# Altium PCB Smart Humidifier.PcbDoc
Units mm, origin at the board's own origin, x right, y up, seen from the top; angles counter-clockwise.
Board outline 80 x 80 mm, 2 copper layers (Top Layer, Bottom Layer); 109 components, 90 nets, 422 pads, 216 vias.
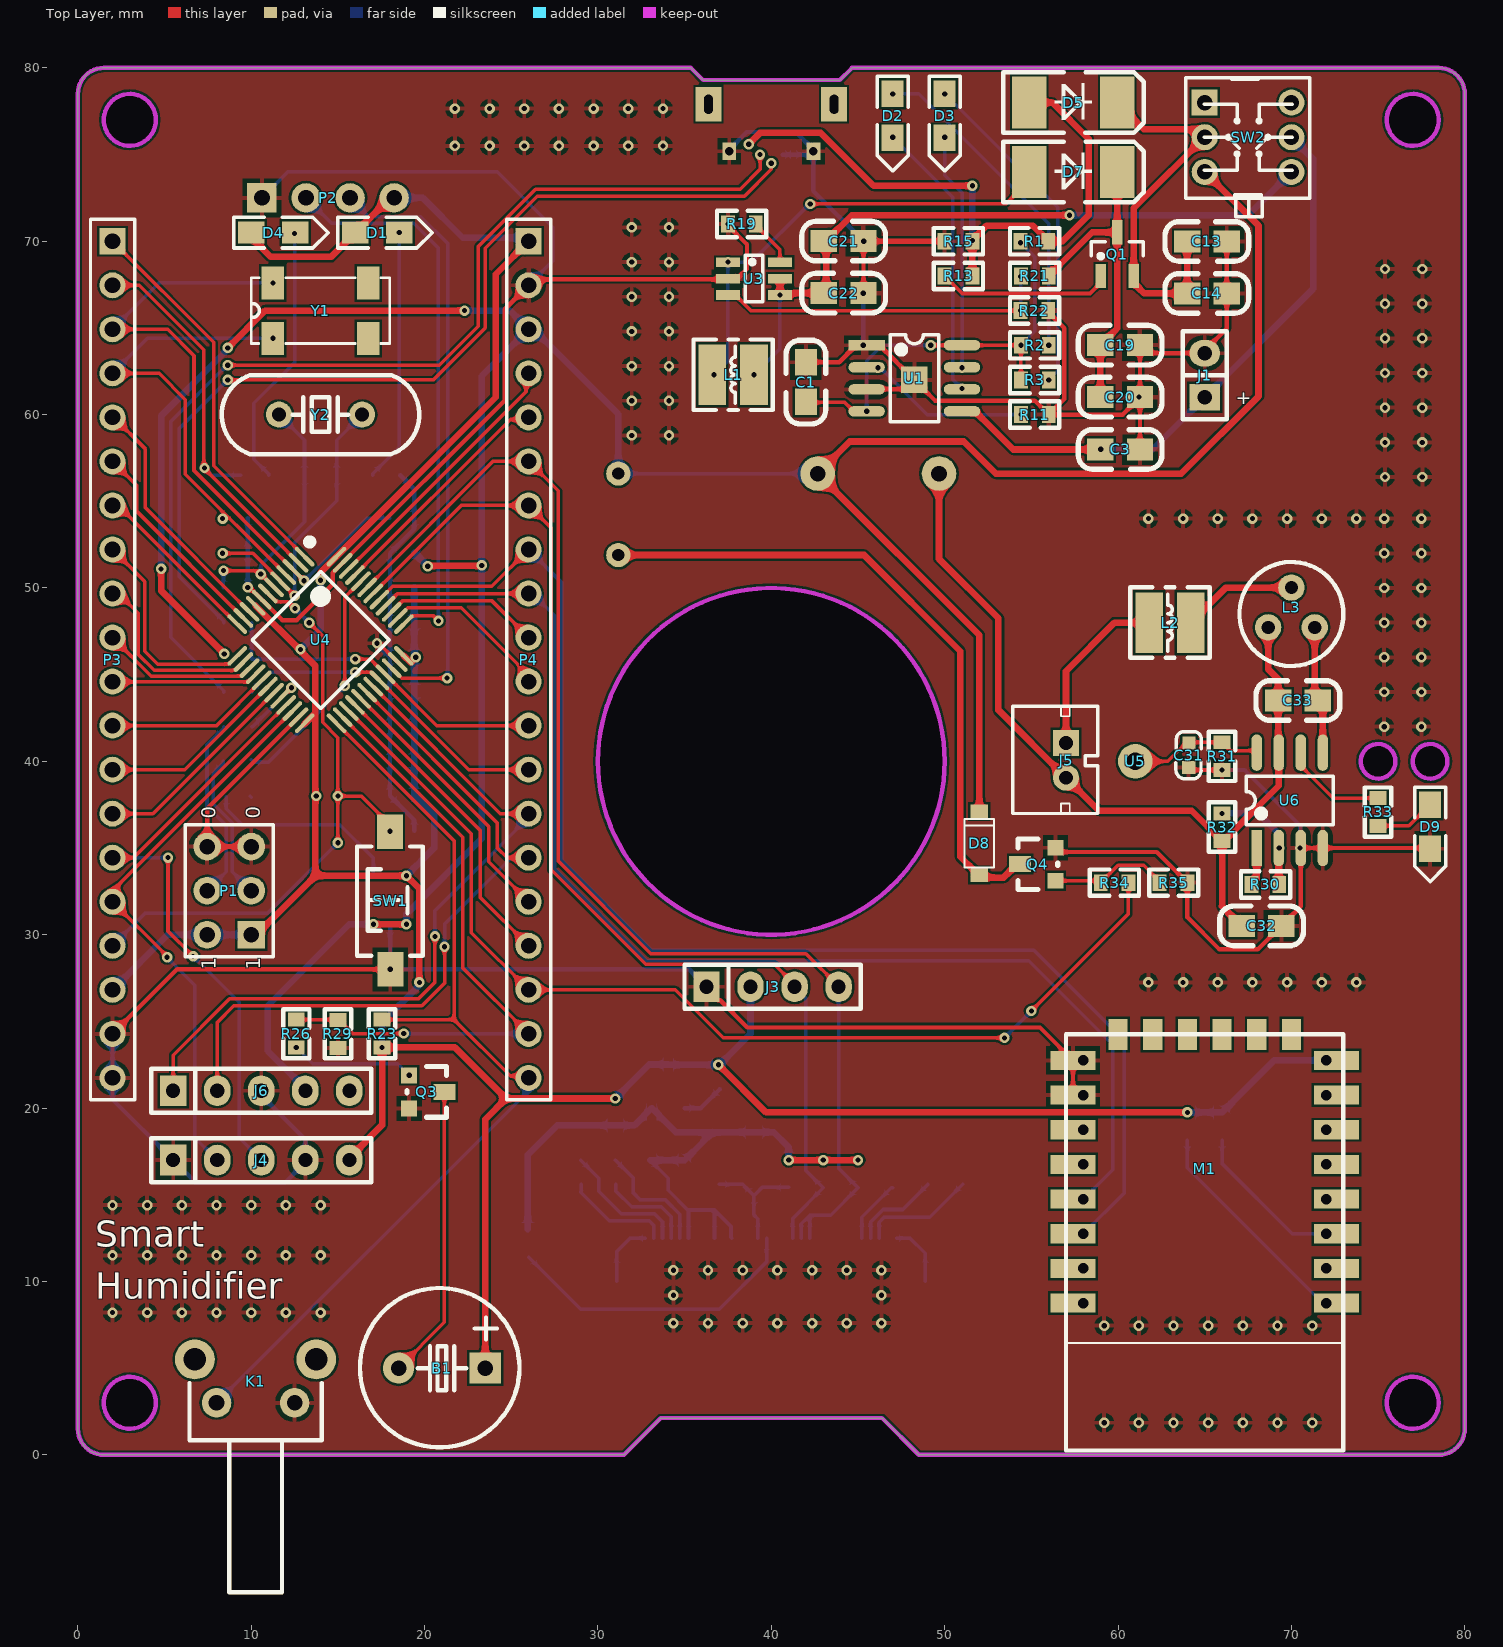
[diagram p0: Top Layer view]
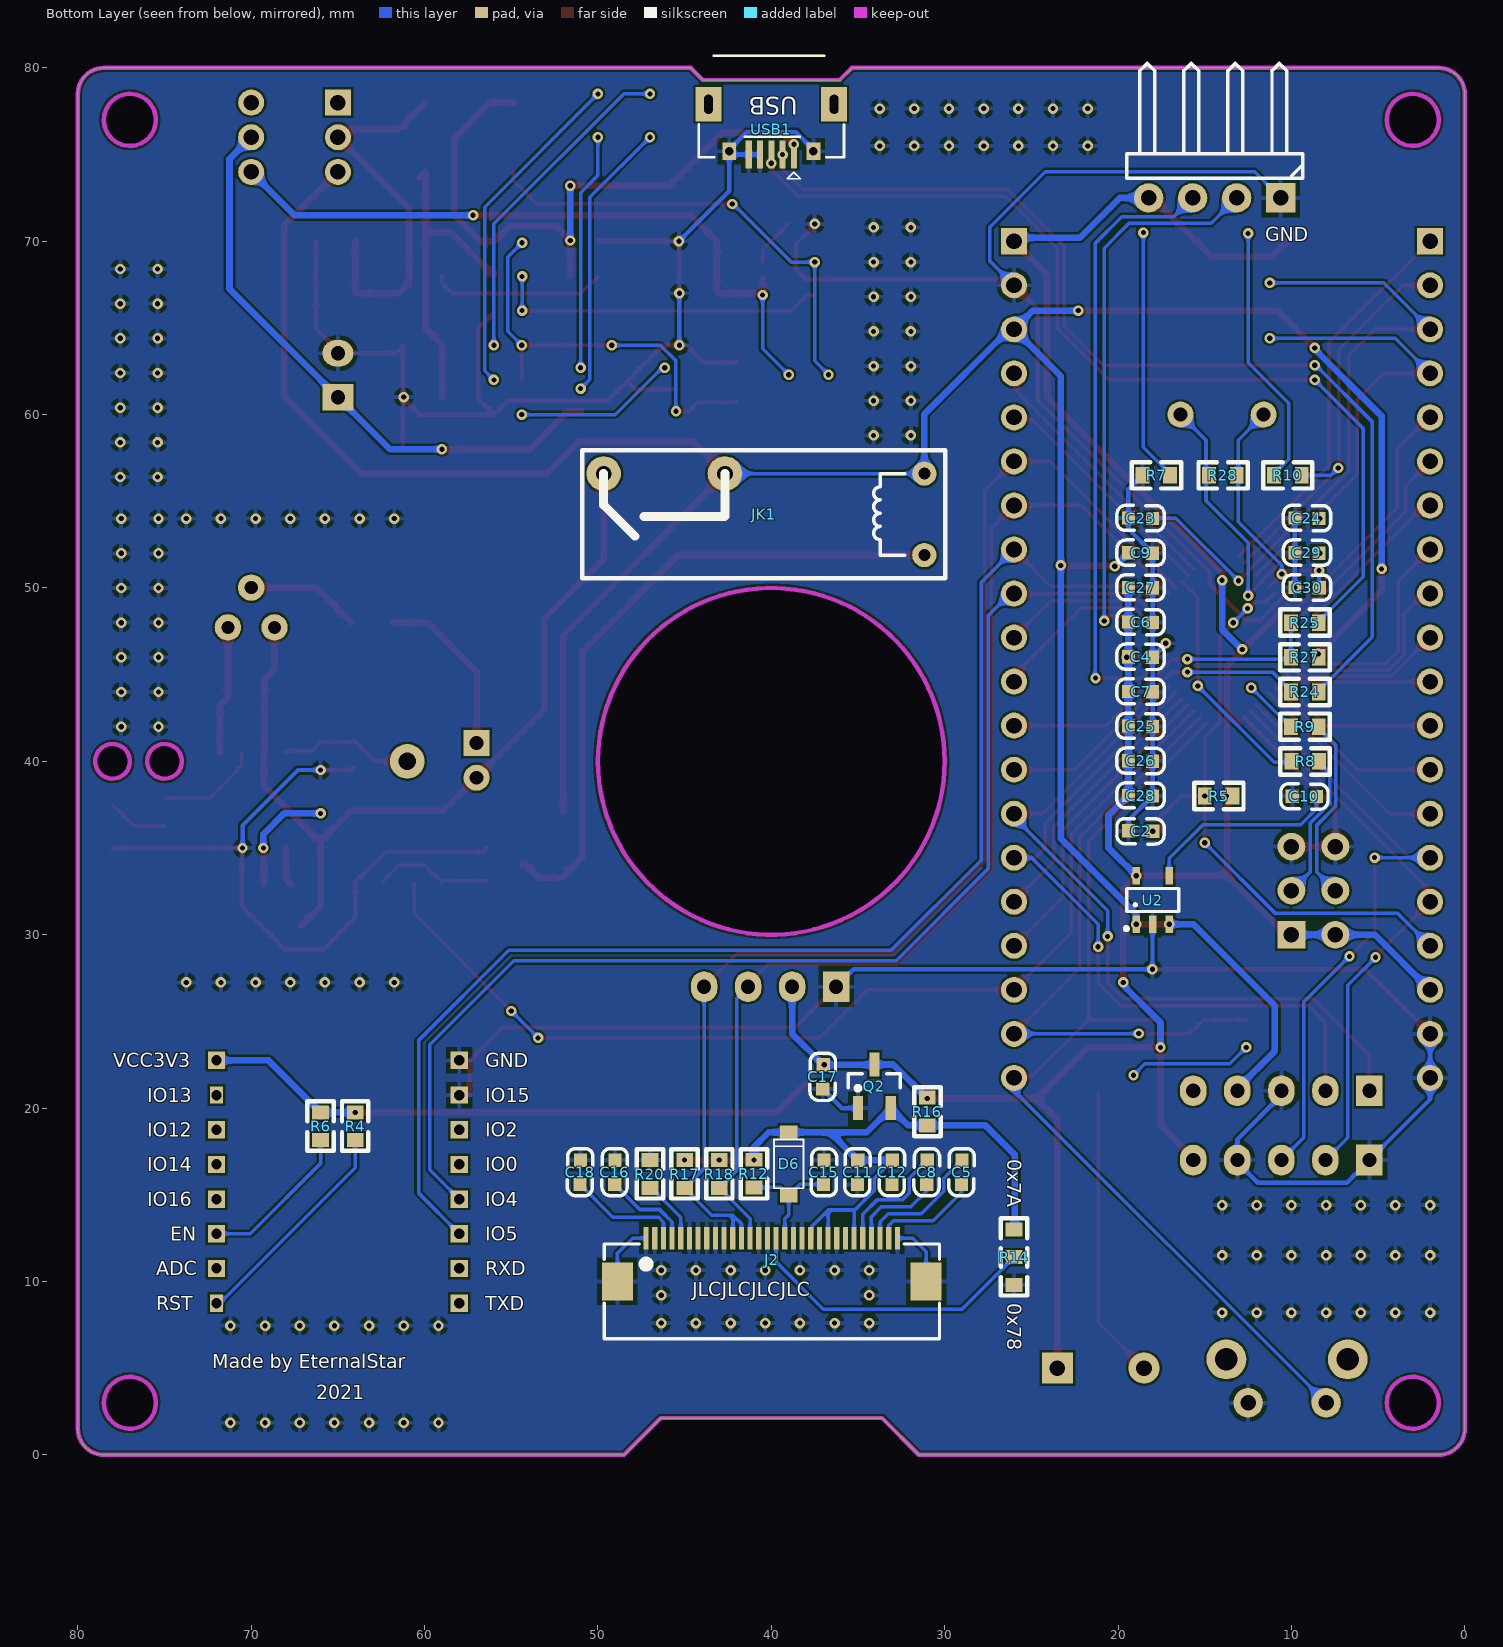
[diagram p1: Bottom Layer view, seen from below]

## Layer stack, top to bottom
Top Solder: solder mask 0.0102, Solder Resist, Dk 3.5
Top Layer: signal copper 0.0356
Dielectric 1: dielectric 0.32, FR-4, Dk 4.8
Bottom Layer: signal copper 0.0356
Bottom Solder: solder mask 0.0102, Solder Resist, Dk 3.5

## Board outline
1.5,0 cw(c1.5,1.5) 0,1.5 0,78.5 cw(c1.5,78.5) 1.5,80 35.362,80 36.062,79.3 43.95,79.3 44.65,80 78.5,80 cw(c78.5,78.5) 80,78.5 80,1.5 cw(c78.5,1.5) 78.5,0 48.5,0 46.379,2.121 33.621,2.121 31.5,0
cut-out: 77,40 ccw(c78,40) 78,39 ccw(c78,40) 79,40 ccw(c78,40) 78,41 ccw(c78,40)
cut-out: 74,40 ccw(c75,40) 75,39 ccw(c75,40) 76,40 ccw(c75,40) 75,41 ccw(c75,40)
cut-out: 75.5,3 ccw(c77,3) 77,1.5 ccw(c77,3) 78.5,3 ccw(c77,3) 77,4.5 ccw(c77,3)
cut-out: 3,1.5 cw(c3,3) 1.5,3 cw(c3,3) 3,4.5 cw(c3,3) 4.5,3 cw(c3,3)
cut-out: 77,75.5 cw(c77,77) 75.5,77 cw(c77,77) 77,78.5 cw(c77,77) 78.5,77 cw(c77,77)
cut-out: 3,75.5 cw(c3,77) 1.5,77 cw(c3,77) 3,78.5 cw(c3,77) 4.5,77 cw(c3,77)
cut-out: 40.073,29.973 cw(c40.073,39.973) 30.073,39.973 cw(c40.073,39.973) 40.073,49.973 cw(c40.073,39.973) 50.073,39.973 cw(c40.073,39.973)

## Design rules (kind name [scope] priority, off if disabled: settings)
Clearance [All] p1: gap=0.127 ignorepadtopadclearanceinfootprint=TRUE
ComponentClearance ComponentClearance_1 [InComponent('OLED1')] p1: gap=0 collisioncheckmode=3 verticalgap=0 showdistances=FALSE
ComponentClearance [All] p2: gap=0.254 collisioncheckmode=3 verticalgap=0.254 showdistances=FALSE
DiffPairsRouting [All] p1: maxlimit=0.254 minlimit=0.089 mostfreqgap=0.203 toplayer_minwidth=0.089 toplayer_maxwidth=0.381 toplayer_prefwidth=0.203 bottomlayer_minwidth=0.089 bottomlayer_maxwidth=0.381 bottomlayer_prefwidth=0.203 maxuncoupledlength=12.7
MinimumSolderMaskSliver [All] p1: minsoldermaskwidth=0
PolygonConnect [All] p1: connectstyle=Relief reliefconductorwidth=0.254 reliefentries=4 polygonreliefangle="90 Angle" airgapwidth=0.254
RoutingVias [All] p1: holewidth=0.711 width=1.27 viastyle="Through Hole" minholewidth=0.3 minwidth=0.5 maxholewidth=6.3 maxwidth=1.27
SilkToSilkClearance [All] p1: silktosilkclearance=0
SilkToSolderMaskClearance [IsPad] p1: minsilkscreentomaskgap=0 clearancetoexposedcopper=TRUE
SolderMaskExpansion [All] p1: expansion=0.102
UnpouredPolygon [All] p1: allowunpoured=TRUE allowshelved=TRUE
Width [All] p1: maxlimit=0.381 minlimit=0.089 preferedwidth=0.203
24 further rules are at their usual default settings.

## Components (designator, comment, footprint, x,y, rotation, side; value= is the part's Value field where it differs from the comment)
B1 "BEEP" "BEEP 5x9x5.5" 23.5,5 r180 top locked
C1 "10uF/0805" 0805C 42,63 r270 top
C2 "1uF/0603" 0603C 19.406,36 r180 bottom
C3 "10uF/0805" 0805C 59,58 r0 top
C4 "0.1uF/0603" 0603C 18,46 r0 bottom
C5 "1uF/0603" 0603C 29,17 r270 bottom locked
C6 "10uF/0603" 0603C 18,48 r0 bottom
C7 "0.1uF/0603" 0603C 18,44 r0 bottom
C8 "1uF/0603" 0603C 31,17 r270 bottom locked
C9 "1uF/0603" 0603C 18,52 r0 bottom
C10 "22nF/0603" 0603C 9.952,38 r180 bottom
C11 "1uF/0603" 0603C 35,17 r270 bottom locked
C12 "1uF/0603" 0603C 33,17 r270 bottom locked
C13 "10uF/0805" 0805C 64,70 r0 top
C14 "0.1uF/0805" 0805C 64,67 r0 top
C15 "4.7uF/0603" 0603C 37,15.594 r90 bottom locked
C16 "4.7uF/0603" 0603C 49,17 r270 bottom locked
C17 "1uF/0603" 0603C 37,22.5 r270 bottom locked
C18 "2.2uF/0603" 0603C 51,17 r270 bottom locked
C19 "20uF/0805" 0805C 61.247,64 r180 top
C20 "0.1uF/0805" 0805C 61.247,61 r180 top
C21 "0.1uF/0805" 0805C 45.3,70 r180 top
C22 "20uF/0805" 0805C 45.3,67 r180 top
C23 "22pF/0603" 0603C 18,54 r0 bottom locked
C24 "22pF/0603" 0603C 8.398,54 r0 bottom
C25 "1uF/0603" 0603C 18,42 r0 bottom
C26 "1uF/0603" 0603C 18,40 r0 bottom
C27 "1uF/0603" 0603C 18,50 r0 bottom locked
C28 "1uF/0603" 0603C 18,38 r0 bottom
C29 "22pF/0603" 0603C 8.398,52 r0 bottom
C30 "22pF/0603" 0603C 8.395,50 r0 bottom
C31 "0.1uF/0603" 0603C 64.109,41.055 r270 top
C32 "10uF/X7R/0805" 0805C 69.4,30.5 r180 top
C33 "8.2nF/NPO/0805" 0805C 71.5,43.5 r180 top
D1 "LEDR/0805" LED-0805R 16,70.5 r0 top
D2 "LEDG/0805" LED-0805G 47,78.5 r270 top
D3 "LEDR/0805" LED-0805R 50,78.5 r270 top
D4 "LEDY/0805" LED-0805Y 10,70.5 r0 top
D5 "SS24/2A/40V/SMA" SMA/DO-214AC 55,78 r0 top
D6 "1N4148W/T4" SOD-123 39,15 r90 bottom locked
D7 "SM340A" SMA/DO-214AC 55,74 r0 top
D8 "IN4148W/T4" SOD-123 52,33.5 r90 top
D9 "LEDP/0805" LED-0805Y 78,37.5 r270 top
J1 "电池接口" Fe-HDR1X2/2.54-S 65,61 r90 top
J2 "FPC0.5-30P" FPC0.5-30P 39.973,10 r180 bottom locked
J3 "Pin HDR1X4" "Pin HDR1X4/2.54mm-S" 36.26,27 r90 top locked
J4 "Female HDR1X5" Fe-HDR1X5/2.54-S 5.5,17 r90 top
J5 "雾化器接口/PH2.0" PH2.0-2P 57,41.055 r270 top
J6 "Female HDR1X5" Fe-HDR1X5/2.54-S 5.5,21 r90 top
JK1 "HF46F/5-HS1" HF46-xx-HS1 40.373,54.25 r0 bottom
K1 "KEY 6*6*12" DIP-6X6X12_C 8,3 r0 top locked
L1 "3.3uH/CD32" CD32 37.8,62.3 r180 top
L2 "220uH/CD32" CD32 63,48 r0 top
L3 "27uH:760uH" "INDUCTOR Tripod" 70,48.5 r0 top
M1 "ESP-12E&F Module" "ESP-12E&F Module" 65,16.5 r180 top locked
P1 "Header 3X2" HDR-3X2 10,30 r90 top
P2 "SWD" HDR-1X4_H 10.62,72.5 r0 top
P3 "Header 20" HDR1X20 2,70 r270 top locked
P4 "Header 20" HDR1X20 26,70 r270 top locked
Q1 "IRLML6401/SOT23" SOT23#1 59,68 r0 top
Q2 "662K/SOT23" SOT23#2 35,20 r180 bottom locked
Q3 "SS8050/NPN/SOT-23" SOT-23 20,21 r270 top locked
Q4 "S9014/NPN/SOT-23" SOT-23 55.5,34 r90 top
R1 "0.4R/0603" 0603R 55.975,70 r180 top
R2 "1K/0603" 0603R 54.4,64 r0 top
R3 "1K/0603" 0603R 54.4,62 r0 top
R4 "510R/0603" 0603R 64,19.75 r270 bottom
R5 "10K/0603" 0603R 13.4,38 r0 bottom
R6 "1K/0603" 0603R 66,19.75 r270 bottom
R7 "510R/0603" 0603R 17,56.5 r0 bottom
R8 "10K/0603" 0603R 10,40 r180 bottom locked
R9 "10K/0603" 0603R 8.425,42 r0 bottom locked
R10 "510R/0603" 0603R 11,56.5 r180 bottom
R11 "1K2/0603" 0603R 54.4,60 r0 top
R12 "4.7K/0603" 0603R 41,15.42 r90 bottom locked
R13 "100K/0603" 0603R 50,68 r0 top
R14 "4.7K/0603" SW_0603R 26,13 r270 bottom
R15 "100K/0603" 0603R 50,70 r0 top
R16 "0R/0603" 0603R 31,19 r90 bottom
R17 "4.7K/0603" 0603R 45,16.995 r270 bottom locked
R18 "4.7K/0603" 0603R 43,16.995 r270 bottom locked
R19 "10K/0603" 0603R 37.5,71 r0 top locked
R20 "620K/0603" 0603R 47,16.995 r270 bottom locked
R21 "88K/0603" 0603R 54.4,68 r0 top
R22 "12K/0603" 0603R 55.975,66 r180 top
R23 "10K/0603" 0603R 17.55,23.5 r90 top
R24 "20R/0603" 0603R 8.425,44 r0 bottom locked
R25 "20R/0603" 0603R 8.425,48 r0 bottom locked
R26 "4K7/0603" 0603R 12.6,23.5 r90 top
R27 "4K7/0603" 0603R 8.425,46 r0 bottom
R28 "1M/0603" 0603R 13.15,56.5 r0 bottom locked
R29 "10K/0603" 0603R 15,25.075 r270 top
R30 "113K/0603" 0603R 69.3,32.9 r180 top
R31 "10M/0603" 0603R 66,39.5 r90 top locked
R32 "510K/0603" 0603R 66,37 r270 top locked
R33 "2K/0603" 0603R 75,36.281 r90 top
R34 "4K7/0603" 0603R 59,33 r0 top
R35 "100K/0603" 0603R 64,33 r180 top
SW1 "SW-PB_V" "TSW SMD-3*6*2.5" 18,32 r90 top locked
SW2 "KFT" "KFT DIP-7X7" 65,78 r0 top locked
U1 "TP4056" SOP8 45.5,64 r0 top locked
U2 "RT9193" SOT23-5L 18,32 r180 bottom locked
U3 "TC6291C/SOT23-6" SOT23-6 37.5,68.8 r270 top locked
U4 "STM32F103C8T6" "TQFP48 7x7_L" 14,47 r225 top locked
U5 "缺水引线" 通孔焊盘 77.7,40 r0 top
U6 "XKT-201/SOP-8" SOP8 68,35 r90 top locked
USB1 "Micro-USB" USB-micro_B 38.7,75 r0 bottom
Y1 "32.768K" MC-306 14,66 r0 top locked
Y2 "8M" "XTAL-49S DIP" 14,60 r0 top locked

## Footprints (in the part's own frame and the unit in brackets; to place one, negate y for a bottom-side part, rotate by r counter-clockwise, add the part's x,y. Pads: shape width x height; smd on the part's side, far side on the other; paste and mask are expansions set on the pad)
0603C [mil]
  rect 30x30 smd: 1(0.21,-0.35) 2(55.21,-1.35)
  silkscreen extent -26,-30 81,28, body extent -1,-15 62,16, height 12
0603R [mm]
  rect 0.8x0.965 smd: 1(0,0) 2(1.6,0)
  silkscreen extent -0.64,-0.76 2.21,0.76, body extent -0.04,-0.41 1.56,0.41, height 0.45
0805C [mil]
  rect 60x50 smd: 1(-0.71,-0.4) 2(89.29,-0.4)
  silkscreen extent -51,-45 139,45, body extent 6,-25 84,25, height 31
"BEEP 5x9x5.5" [mm]
  rect 1.8x1.8 hole 0.9: 1(0,0)
  round 1.8 hole 0.9: 2(5,0)
  silkscreen extent -1.97,-4.62 7.23,4.57, body extent -1.96,-4.44 7.04,4.55, height 5.45
CD32 [mm] "3.5*3*2mm（长宽高）"
  rect 1.6x3.5 smd: 1(-1.2,0) 2(1.2,0)
  silkscreen extent -2.29,-2.03 2.29,2.03, body extent -1.71,-1.4 1.71,1.6, height 2.15
DIP-6X6X12_C [mm]
  round 2.3 hole 1.3: 0(-1.25,2.5) 0(5.75,2.5)
  round 1.7 hole 0.9: 1(0,0) 3(4.5,0)
  silkscreen extent -1.56,-10.92 6.06,1.14, body extent -1.9,-10.79 6.47,4.06, height 7.47
"ESP-12E&F Module" [mm]
  rect 2.6x1.1 smd: 1(-7.6,7.75) 2(-7.6,5.75) 3(-7.6,3.75) 4(-7.6,1.75) 5(-7.6,-0.25) 6(-7.6,-2.25) 7(-7.6,-4.25) 8(-7.6,-6.25) 15(7.6,-6.25) 16(7.6,-4.25) 17(7.6,-2.25) 18(7.6,-0.25) 19(7.6,1.75) 20(7.6,3.75) 21(7.6,5.75) 22(7.6,7.75)
  rect 0.762x1 hole 0.6: 1(-7,7.75) 7(-7,-4.25)
  rect 0.762x1 / inner rect 0.762x1 / far side rect 1x1 hole 0.6: 2(-7,5.75) 3(-7,3.75) 4(-7,1.75) 5(-7,-0.25) 6(-7,-2.25) 8(-7,-6.25) 15(7,-6.25) 16(7,-4.25) 17(7,-2.25) 18(7,-0.25) 19(7,1.75) 20(7,3.75) 21(7,5.75) 22(7,7.75)
  rect 1.1x1.8 smd: 9(-5,-7.75) 10(-3,-7.75) 11(-1,-7.75) 12(1,-7.75) 13(3,-7.75) 14(5,-7.75)
  silkscreen extent -8,-7.75 8,16.25
Fe-HDR1X2/2.54-S [mil] "Connector; Header; 2x2 Position"
  rect 60x70 hole 32: 1(0,0)
  oval 60x70 hole 32: 2(100,0)
  silkscreen extent -50,-50 150,50, body extent -55,-48 155,50, height 335
Fe-HDR1X5/2.54-S [mil]
  rect 70x60 hole 32: 1(0,0)
  oval 70x60 hole 32: 2(0,-100) 3(0,-200) 4(0,-300) 5(0,-400)
  silkscreen extent -50,-450 50,50, body extent -50,-455 48,55, height 126
FPC0.5-30P [mm]
  rect 1.8x2.2 smd: 0(-8.9,0) 0(8.9,0)
  rect 0.3x1.3 smd: 1(-7.25,2.497) 2(-6.75,2.497) 3(-6.25,2.497) 4(-5.75,2.497) 5(-5.25,2.497) 6(-4.75,2.497) 7(-4.25,2.497) 8(-3.75,2.497) 9(-3.25,2.497) 10(-2.75,2.497) 11(-2.25,2.497) 12(-1.75,2.497) 13(-1.25,2.497) 14(-0.75,2.497) 15(-0.25,2.497) 16(0.25,2.497) 17(0.75,2.497) 18(1.25,2.497) 19(1.75,2.497) 20(2.25,2.497) 21(2.75,2.497) 22(3.25,2.497) 23(3.75,2.497) 24(4.25,2.497) 25(4.75,2.497) 26(5.25,2.497) 27(5.75,2.497) 28(6.25,2.497) 29(6.75,2.497) 30(7.25,2.497)
  silkscreen extent -9.68,-3.3 9.67,2.16, body extent -9.6,-3.15 9.6,2.85, height 2
HDR1X20 [mm] "Connector; Header; 20 Position"
  rect 1.5x1.5 hole 0.9: 1(0,0)
  round 1.5 hole 0.9: 2(2.54,0) 3(5.08,0) 4(7.62,0) 5(10.16,0) 6(12.7,0) 7(15.24,0) 8(17.78,0) 9(20.32,0) 10(22.86,0) 11(25.4,0) 12(27.94,0) 13(30.48,0) 14(33.02,0) 15(35.56,0) 16(38.1,0) 17(40.64,0) 18(43.18,0) 19(45.72,0) 20(48.26,0)
  silkscreen extent -1.27,-1.27 49.53,1.27
HDR-1X4_H [mm] "弯脚排针，4脚"
  rect 1.7x1.7 hole 0.9: 1(0,0)
  round 1.7 hole 0.9: 2(2.54,0) 3(5.08,0) 4(7.62,0)
  body extent -1.27,-1.27 8.89,7.77, height 4.85
HDR-3X2 [mm] "双排排针，3x2脚"
  rect 1.6x1.6 hole 0.9: 1(0,0)
  round 1.6 hole 0.9: 2(0,2.54) 3(2.54,0) 4(2.54,2.54) 5(5.08,0) 6(5.08,2.54)
  silkscreen extent -1.27,-1.27 6.35,3.81, body extent -1.27,-1.27 6.35,3.81, height 8.5
HF46-xx-HS1 [mm] "一组常开，长：20.5mm，宽：7mm，高：15.3mm"
  round 1.4 hole 0.7: 1(-9.2,2.35) 2(-9.2,-2.35)
  round 2 hole 0.9: 3(2.3,-2.35) 4(9.3,-2.35)
  silkscreen extent -10.41,-3.68 10.54,3.68, body extent -10.25,-3.56 10.25,3.44, height 15.3
"INDUCTOR Tripod" [mil]
  round 60 hole 30: 1(0,60) 2(52.83,-30.51) 3(-52.83,-30.51)
  silkscreen extent -118,-118 118,118, body extent -115,30 -115,30, height 10
"KFT DIP-7X7" [mm]
  rect 1.5x1.5 hole 0.9: 1(0,0)
  round 1.5 hole 0.9: 2(0,-2) 3(0,-4) 4(5,-4) 5(5,-2) 6(5,0)
  silkscreen extent -1.08,-6.58 6.06,1.42, body extent -1.09,-5.46 5.91,1.54, height 11.2
LED-0805G [mil]
  rect 60x50 smd: A(0,0) K(100,0)
  silkscreen extent -40,-35 175,35, body extent 11,-24 89,25, height 32
LED-0805R [mil]
  rect 60x50 smd: A(0,0) K(100,0)
  silkscreen extent -40,-35 175,35, body extent 11,-24 89,25, height 32
LED-0805Y [mil]
  rect 60x50 smd: A(0,0) K(100,0)
  silkscreen extent -40,-35 175,35, body extent 11,-26 89,23, height 32
MC-306 [mm]
  rect 1.3x1.9 smd: 1(-2.75,-1.6) 2(2.75,-1.6) 3(2.75,1.6) 4(-2.75,1.6)
  silkscreen extent -4,-1.9 4,1.9
PH2.0-2P [mm]
  rect 1.5x1.5 hole 0.8: 1(0,0)
  round 1.5 hole 0.8: 2(2,0)
  silkscreen extent -2.13,-3.08 4.06,1.82, body extent -1.95,-2.97 3.95,1.73, height 6.01
"Pin HDR1X4/2.54mm-S" [mil]
  rect 70x60 hole 32: 1(0,0)
  oval 70x60 hole 32: 2(0,-100) 3(0,-200) 4(0,-300)
  silkscreen extent -50,-350 50,50, body extent -50,-350 50,50, height 336
SMA/DO-214AC [mm] "塑封二极管"
  rect 2x3 smd: A(-0.127,0) K(4.953,0)
  silkscreen extent -1.63,-1.75 6.48,1.75, body extent 0.11,-1.35 4.71,1.35, height 2.4
SOD-123 [mm] "塑封二极管"
  rect 0.8x1 smd: A(-0.051,0) K(3.607,0)
  silkscreen extent 0.38,-0.85 3.18,0.85, body extent -0.12,-0.89 3.73,0.81, height 1.43
SOP8 [mm]
  rect 2.1x0.6 smd: 1(0,0)
  oval 2.1x0.6 smd: 2(0,-1.27) 3(0,-2.54) 4(0,-3.81) 5(5.5,-3.81) 6(5.5,-2.54) 7(5.5,-1.27) 8(5.5,0)
  silkscreen extent 1.35,-4.41 4.15,0.6, body extent -0.21,-4.44 5.8,0.56, height 1.9
SOT23#1 [mm]
  rect 0.6x1.4 smd: D(0.95,2.514) G(0,0) S(1.9,0)
  silkscreen extent -0.55,1.02 2.45,1.97, body extent -0.56,0.22 2.44,2.62, height 1.05
SOT23#2 [mm]
  rect 0.6x1.4 smd: 1(0,0) 2(1.9,0) 3(0.95,2.514)
  silkscreen extent -0.55,1.02 2.45,1.97, body extent -0.56,0.22 2.44,2.62, height 1.05
SOT23-5L [mm] "3x1.6x1.1mm(长宽高)"
  rect 0.45x1 smd: 1(-0.95,-1.4) 2(0,-1.4) 3(0.95,-1.4) 4(0.95,1.4) 5(-0.95,1.4)
  silkscreen extent -1.6,-1.73 1.5,0.66, body extent -1.5,-1.4 1.5,1.4, height 1.15
SOT23-6 [mm]
  rect 0.55x1.4 smd: 1(0,0) 2(0.95,0) 3(1.9,0) 4(1.9,3) 5(0.95,3) 6(0,3)
  silkscreen extent -0.38,0.99 2.29,2.01, body extent -0.56,0.12 2.44,2.93, height 1.15
SOT-23 [mil]
  rect 36x36 smd: B(-35,-35) E(40,-35)
  rect 36x50 smd: C(3,45)
  silkscreen extent -55,-40 60,50, body extent -54,-48 60,62, height 47
SW_0603R [mm]
  rect 0.8x0.965 smd: 1(0,0) 2(1.6,0) 3(3.2,0)
  silkscreen extent -0.64,-0.76 3.81,0.76
"TQFP48 7x7_L" [mm] "48脚，体宽：7x7mm, 脚距：0.5mm"
  oval 0.25x1.5 smd: 1(-2.75,-4.046) 2(-2.25,-4.046) 3(-1.75,-4.046) 4(-1.25,-4.046) 5(-0.75,-4.046) 6(-0.25,-4.046) 7(0.25,-4.046) 8(0.75,-4.046) 9(1.25,-4.046) 10(1.75,-4.046) 11(2.25,-4.046) 12(2.75,-4.046) 25(2.75,4.046) 26(2.25,4.046) 27(1.75,4.046) 28(1.25,4.046) 29(0.75,4.046) 30(0.25,4.046) 31(-0.25,4.046) 32(-0.75,4.046) 33(-1.25,4.046) 34(-1.75,4.046) 35(-2.25,4.046) 36(-2.75,4.046)
  oval 1.5x0.25 smd: 13(4.046,-2.75) 14(4.046,-2.25) 15(4.046,-1.75) 16(4.046,-1.25) 17(4.046,-0.75) 18(4.046,-0.25) 19(4.046,0.25) 20(4.046,0.75) 21(4.046,1.25) 22(4.046,1.75) 23(4.046,2.25) 24(4.046,2.75) 37(-4.046,2.75) 38(-4.046,2.25) 39(-4.046,1.75) 40(-4.046,1.25) 41(-4.046,0.75) 42(-4.046,0.25) 43(-4.046,-0.25) 44(-4.046,-0.75) 45(-4.046,-1.25) 46(-4.046,-1.75) 47(-4.046,-2.25) 48(-4.046,-2.75)